# Altium PCB 主板.PcbDoc (part 2 of 2)
Units mm, origin at the board's own origin, x right, y up, seen from the top; angles counter-clockwise.
Board outline 152.4 x 95.25 mm, 2 copper layers (Top Layer, Bottom Layer); 206 components, 179 nets, 880 pads, 577 vias.
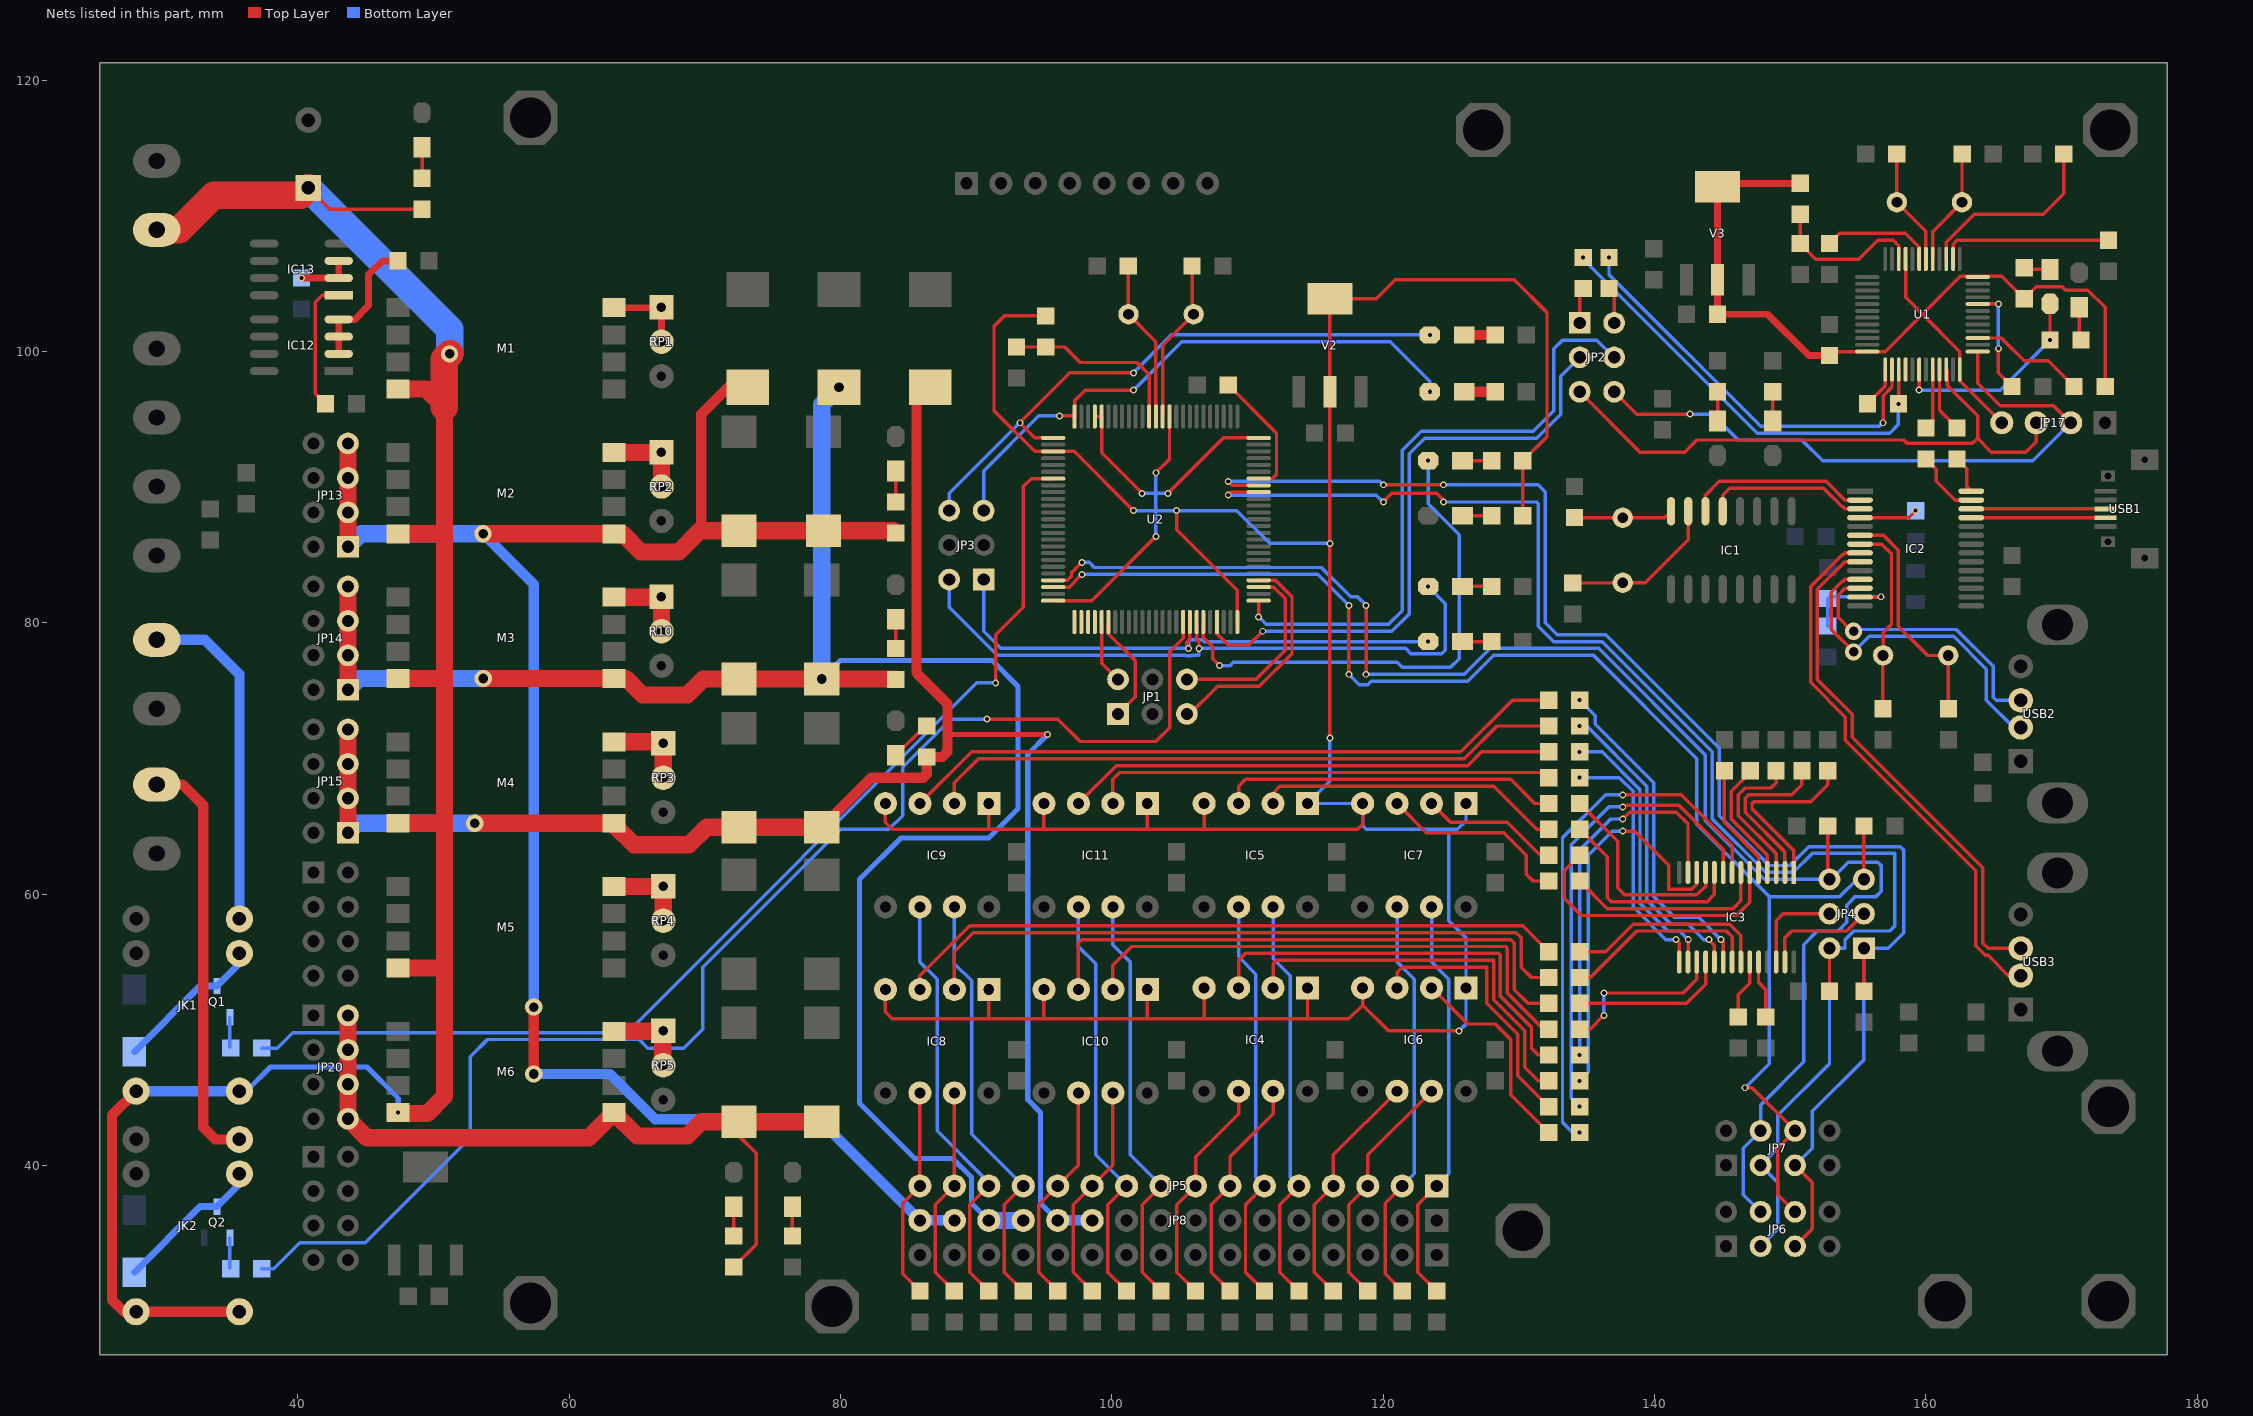
[diagram p2: the nets of this part, all layers, seen from the top]

## Via types
v1: diameter 0.508, hole 0.3, Top Layer to Bottom Layer, 546 vias
v2: diameter 1.27, hole 0.711, Top Layer to Bottom Layer, 31 vias

## Nets (pads, with @x,y where several pads share a name; then routed paths per layer and width w, separated by ;. In a path a pad name is that pad's centre, name@x,y a point inside that pad or via, vN(x,y) a via of type N, cw(c..) or ccw(c..) an arc to the next point about the centre after c; other vN are vias at no path point) (continued)
I2C1_SCL: JP4.2 JP6.3 JP7.3 R21.1 U2.92 | length 111.9
  Top Layer w0.254: v1(108.585,89.408) 108.807,89.63 U2.92@110.826,89.63 ; v1(120.015,88.9) 120.65,89.535 123.952,89.535 124.46,89.027 v1(124.46,88.9) ; R21.1@152.908,52.832 JP4.2@152.908,56.007
  Bottom Layer w0.254: v1(108.585,89.408) 119.507,89.408 v1(120.015,88.9) ; v1(124.46,88.9) 131.318,88.9 131.445,88.773 131.445,79.756 132.588,78.613 136.144,78.613 144.272,70.485 144.272,65.532 148.209,61.595 150.241,61.595 151.638,62.992 157.734,62.992 157.734,57.658 157.353,57.277 154.686,57.277 154.051,56.642 154.051,56.007 JP4.2@152.908,56.007 152.908,47.498 149.098,43.688 149.098,41.275 JP7.3@147.828,40.005 149.098,38.735 149.098,35.306 JP6.3@147.828,34.036
I2C1_SDA: JP4.1 JP6.5 JP7.5 R22.1 U2.93 | length 110.9
  Top Layer w0.254: v1(108.585,90.424) 108.879,90.13 U2.93@110.826,90.13 ; v1(120.015,90.17) v1(124.46,90.17) ; JP6.5@150.368,34.036 151.638,35.306 151.638,38.735 JP7.5@150.368,40.005 ; R22.1@155.448,52.832 JP4.1@155.448,56.007
  Bottom Layer w0.254: v1(108.585,90.424) 119.761,90.424 v1(120.015,90.17) ; v1(124.46,90.17) 131.445,90.17 131.953,89.662 131.953,80.01 132.842,79.121 136.398,79.121 144.78,70.739 144.78,65.786 148.463,62.103 149.987,62.103 151.384,63.5 158.115,63.5 158.369,63.246 158.369,57.15 157.226,56.007 JP4.1@155.448,56.007 155.448,47.787 151.638,43.977 151.638,41.275 JP7.5@150.368,40.005
I2C2_SCL: JP4.6 JP6.4 JP7.4 R19.1 U2.47 | length 114.8
  Top Layer w0.254: U2.47@95.675,83.13 96.719,83.13 97.028,83.439 97.028,83.693 v1(97.79,84.455) ; v1(118.745,76.2) v1(118.745,81.28) ; JP4.6@152.781,61.214 R19.1@152.781,64.516
  Bottom Layer w0.254: v1(97.79,84.455) 98.323,84.455 98.704,84.074 115.443,84.074 117.602,81.915 118.11,81.915 v1(118.745,81.28) ; v1(118.745,76.2) 125.984,76.2 127.889,78.105 135.89,78.105 143.764,70.231 143.764,65.405 148.082,61.087 JP4.6@152.908,61.087 153.035,61.087 154.305,62.357 156.464,62.357 156.718,62.103 156.718,60.198 156.337,59.817 154.813,59.817 154.178,59.182 154.178,57.912 153.543,57.277 152.019,57.277 151.003,56.261 151.003,47.625 147.828,44.45 JP7.4@147.828,42.545 146.558,41.275 146.558,37.846 JP6.4@147.828,36.576
I2C2_SDA: JP4.5 JP6.6 JP7.6 R20.1 U2.48 | length 108.4
  Top Layer w0.254: U2.48@95.675,82.63 96.854,82.63 v1(97.79,83.566) ; v1(117.475,76.2) v1(117.475,81.28) ; v1(146.685,45.72) 147.193,45.72 JP7.6@150.368,42.545 149.098,41.275 149.098,37.846 JP6.6@150.368,36.576 ; JP4.5@155.448,61.087 R20.1@155.448,64.516
  Bottom Layer w0.254: v1(97.79,83.566) 115.189,83.566 v1(117.475,81.28) ; v1(117.475,76.2) 118.237,75.438 118.872,75.438 119.126,75.692 126.238,75.692 128.143,77.597 135.509,77.597 143.129,69.977 143.129,65.151 148.463,59.817 ; v1(146.685,45.72) 148.463,47.498 148.463,59.817 ; JP4.5@155.448,61.087 154.94,61.087 153.67,59.817 148.463,59.817
ISO_OUT0: IC7.7 JP5.1 R61.2 | length 30.4
  Top Layer w0.254: R61.2@123.952,30.734 122.555,32.131 122.555,37.084 JP5.1@123.952,38.481
  Bottom Layer w0.254: IC7.7@123.571,59.055 123.571,54.991 124.841,53.721 124.841,39.37 JP5.1@123.952,38.481
ISO_OUT1: IC7.6 JP5.2 R62.2 | length 30.3
  Top Layer w0.254: R62.2@121.412,30.734 120.142,32.004 120.142,37.211 JP5.2@121.412,38.481
  Bottom Layer w0.254: IC7.6@121.031,59.055 121.031,54.991 122.301,53.721 122.301,39.37 JP5.2@121.412,38.481
ISO_OUT2: IC6.7 JP5.3 R59.2 | length 17.8
  Top Layer w0.254: R59.2@118.872,30.734 117.475,32.131 117.475,37.084 JP5.3@118.872,38.481 118.872,40.767 IC6.7@123.571,45.466
ISO_OUT3: IC6.6 JP5.4 R60.2 | length 17.8
  Top Layer w0.254: R60.2@116.332,30.734 114.935,32.131 114.935,37.084 JP5.4@116.332,38.481 116.332,40.767 IC6.6@121.031,45.466
ISO_OUT4: IC5.7 JP5.5 R57.2 | length 30.3
  Top Layer w0.254: R57.2@113.792,30.734 112.395,32.131 112.395,37.084 JP5.5@113.792,38.481
  Bottom Layer w0.254: IC5.7@111.887,59.055 111.887,55.245 113.157,53.975 113.157,39.116 JP5.5@113.792,38.481
ISO_OUT5: IC5.6 JP5.6 R58.2 | length 30.3
  Top Layer w0.254: R58.2@111.252,30.734 109.855,32.131 109.855,37.084 JP5.6@111.252,38.481
  Bottom Layer w0.254: IC5.6@109.347,59.055 109.347,55.372 110.617,54.102 110.617,39.116 JP5.6@111.252,38.481
ISO_OUT6: IC4.7 JP5.7 R55.2 | length 17.2
  Top Layer w0.254: R55.2@108.712,30.734 107.315,32.131 107.315,37.084 JP5.7@108.712,38.481 108.712,40.64 111.887,43.815 IC4.7@111.887,45.466
ISO_OUT7: IC4.6 JP5.8 R56.2 | length 17.2
  Top Layer w0.254: R56.2@106.172,30.734 104.775,32.131 104.775,37.084 JP5.8@106.172,38.481 106.172,40.64 109.347,43.815 IC4.6@109.347,45.466
ISO_OUT8: IC11.7 JP5.9 R85.2 | length 31
  Top Layer w0.254: R85.2@103.632,30.734 102.235,32.131 102.235,37.084 JP5.9@103.632,38.481
  Bottom Layer w0.254: IC11.7@100.076,59.055 100.076,56.261 101.346,54.991 101.346,40.767 JP5.9@103.632,38.481
ISO_OUT9: IC11.6 JP5.10 R86.2 | length 31
  Top Layer w0.254: R86.2@101.092,30.734 99.695,32.131 99.695,37.084 JP5.10@101.092,38.481
  Bottom Layer w0.254: IC11.6@97.536,59.055 97.536,56.134 98.806,54.864 98.806,40.767 JP5.10@101.092,38.481
ISO_OUT10: IC10.7 JP5.11 R83.2 | length 16.4
  Top Layer w0.254: R83.2@98.552,30.734 97.155,32.131 97.155,37.084 JP5.11@98.552,38.481 100.076,40.005 IC10.7@100.076,45.339
ISO_OUT11: IC10.6 JP5.12 R84.2 | length 16.4
  Top Layer w0.254: R84.2@96.012,30.734 94.615,32.131 94.615,37.084 JP5.12@96.012,38.481 97.536,40.005 IC10.6@97.536,45.339
ISO_OUT12: IC9.7 JP5.13 R81.2 | length 31.6
  Top Layer w0.254: R81.2@93.472,30.734 92.075,32.131 92.075,37.084 JP5.13@93.472,38.481
  Bottom Layer w0.254: IC9.7@88.392,59.055 88.392,54.864 89.662,53.594 89.662,42.291 JP5.13@93.472,38.481
ISO_OUT13: IC9.6 JP5.14 R82.2 | length 31.6
  Top Layer w0.254: R82.2@90.932,30.734 89.535,32.131 89.535,37.084 JP5.14@90.932,38.481
  Bottom Layer w0.254: IC9.6@85.852,59.055 85.852,54.991 87.122,53.721 87.122,42.545 90.932,38.735 JP5.14@90.932,38.481
ISO_OUT14: IC8.7 JP5.15 R79.2 | length 15.8
  Top Layer w0.254: R79.2@88.392,30.734 86.995,32.131 86.995,37.084 JP5.15@88.392,38.481 IC8.7@88.392,45.339
ISO_OUT15: IC8.6 JP5.16 R80.2 | length 15.7
  Top Layer w0.254: R80.2@85.852,30.734 84.582,32.004 84.582,37.211 JP5.16@85.852,38.481 IC8.6@85.852,45.339
MAIN_12V: E11.1 JK1.3 JK2.3 JP11.2 M1.1 M2.1 M3.1 M4.1 M5.1 M6.1 R73.2 | length 162.1
  Top Layer w0.254: E11.1@40.767,112.054 42.331,110.49 R73.2@49.149,110.49
  Top Layer w0.762: JK1.3@28.067,45.466 26.289,43.688 26.289,30.099 27.178,29.21 JK2.3@28.067,29.21 JK2.3@35.687,29.21
  Top Layer w1.27: M5.1@47.39,54.551 50.741,54.551 ; M4.1@47.39,65.219 50.741,65.219 ; M3.1@47.39,75.887 50.741,75.887 ; M2.1@47.39,86.555 50.741,86.555 ; M1.1@47.39,97.223 49.462,97.223 50.8,95.885 50.8,45.085 49.53,43.815 M6.1@47.458,43.815
  Top Layer w2.032: JP11.2@29.591,108.966 31.242,108.966 33.782,111.506 40.219,111.506 E11.1@40.767,112.054 ; 50.8,95.885 50.8,99.441 v2(51.181,99.822)
  Bottom Layer w0.381: JK1.3@35.687,45.466 36.195,45.466 37.973,47.244 45.085,47.244 47.39,44.939 v1(47.39,43.883)
  Bottom Layer w0.762: JK1.3@28.067,45.466 JK1.3@35.687,45.466
  Bottom Layer w2.032: E11.1@40.767,112.054 51.181,101.64 v2(51.181,99.822)
MCU_3V: IC4.1 IC4.4 IC5.1 IC5.4 IC6.1 IC6.4 IC7.1 IC7.4 IC8.1 IC8.4 IC9.1 IC9.4 IC10.1 IC10.4 IC11.1 IC11.4 R24.2 R51.2 R52.2 U2.11 U2.21 U2.22 U2.28 U2.50 U2.75 U2.100 V2.2 | length 291.1
  Top Layer w0.254: IC8.4@83.312,52.959 83.312,51.308 83.82,50.8 94.996,50.8 ; IC9.4@83.312,66.675 83.312,65.278 83.82,64.77 90.932,64.77 ; 90.932,50.927 IC8.1@90.932,52.959 ; IC9.1@90.932,66.675 90.932,64.77 ; IC10.4@94.996,52.959 94.996,50.8 ; IC11.4@94.996,66.675 94.996,64.77 ; R24.2@95.123,102.616 92.075,102.616 91.313,101.854 91.313,95.631 94.314,92.63 U2.28@95.675,92.63 97.235,92.63 v1(101.6,88.265) ; U2.50@95.675,81.63 98.521,81.63 v1(103.251,86.36) ; U2.22@98.751,95.205 U2.21@99.251,95.205 99.251,92.519 v1(102.235,89.535) ; IC10.1@102.616,52.959 102.616,50.8 ; IC11.1@102.616,66.675 102.616,64.77 ; v1(103.251,91.059) 104.251,92.059 U2.11@104.251,95.205 ; v1(104.14,89.535) 108.235,93.63 U2.100@110.826,93.63 ; v1(104.775,88.265) 104.775,86.868 109.251,82.392 U2.75@109.251,80.055 ; IC4.4@106.807,53.086 106.807,50.8 ; IC5.4@106.807,66.675 106.807,64.77 ; IC4.1@114.427,53.086 114.427,50.8 ; v1(116.078,71.501) v1(116.078,85.852) V2.2@116.078,97.028 V2.2@116.078,103.886 119.507,103.886 120.904,105.283 129.667,105.283 132.08,102.87 132.08,93.726 R52.2@130.302,91.948 R51.2@130.302,87.884 ; IC6.4@118.491,53.086 118.491,51.816 ; IC7.4@118.491,66.675 118.491,65.151 118.11,64.77 106.807,64.77 ; v1(125.603,49.911) 120.396,49.911 118.491,51.816 ; 90.932,64.77 94.996,64.77 ; 94.996,50.8 102.616,50.8 ; 94.996,64.77 102.616,64.77 ; 102.616,50.8 106.807,50.8 ; 102.616,64.77 106.807,64.77 ; 106.807,50.8 114.427,50.8 ; 114.427,50.8 117.475,50.8 118.491,51.816
  Bottom Layer w0.254: v1(101.6,88.265) 103.251,88.265 ; v1(102.235,89.535) 103.251,89.535 ; v1(103.251,86.36) 103.251,88.265 ; v1(103.251,91.059) 103.251,89.535 ; v1(104.14,89.535) 103.251,89.535 ; v1(116.078,71.501) 116.078,68.326 IC5.1@114.427,66.675 IC7.4@118.491,66.675 118.491,65.024 118.745,64.77 124.841,64.77 ; v1(116.078,85.852) 111.633,85.852 109.22,88.265 v1(104.775,88.265) 103.251,88.265 ; v1(125.603,49.911) 126.111,50.419 IC6.1@126.111,53.086 126.111,56.769 124.841,58.039 124.841,64.77 ; IC7.1@126.111,66.675 126.111,65.405 125.476,64.77 124.841,64.77 ; 103.251,88.265 103.251,89.535
MCU_SWCLK: JP2.4 U2.76 | length 46.4
  Top Layer w0.254: v1(110.826,80.436) U2.76@110.826,81.63
  Bottom Layer w0.254: v1(110.826,80.436) 111.379,79.883 120.396,79.883 121.412,80.899 121.412,92.71 122.809,94.107 131.064,94.107 132.588,95.631 132.588,100.203 133.223,100.838 135.763,100.838 JP2.4@137.033,99.568
MCU_SWDIO: JP2.3 U2.72 | length 45.3
  Top Layer w0.254: U2.72@107.751,80.055 107.751,79.193 108.585,78.359 110.109,78.359 v1(111.125,79.375)
  Bottom Layer w0.254: v1(111.125,79.375) 120.65,79.375 121.92,80.645 121.92,92.456 123.063,93.599 131.318,93.599 133.096,95.377 133.096,98.171 JP2.3@134.493,99.568
NetC3_2: C3.2 IC1.8 X2.1 | length 7.3
  Top Layer w0.254: C3.2@134.112,87.757 137.655,87.757 X2.1@137.668,87.744 140.749,87.744 IC1.8@141.224,88.219
NetC4_2: C4.2 IC1.7 X2.2 | length 11.9
  Top Layer w0.254: C4.2@133.985,82.931 137.655,82.931 X2.2@137.668,82.944 139.332,82.944 142.494,86.106 IC1.7@142.494,88.219
NetC5_2: C5.2 IC2.7 X3.2 | length 14.3
  Top Layer w0.254: IC2.7@155.158,85.796 156.774,85.796 157.48,85.09 157.48,79.883 156.858,79.261 X3.2@156.858,77.597 ; C5.2@156.845,73.66 X3.2@156.845,77.584
NetC6_2: C6.2 IC2.6 X3.1 | length 17.4
  Top Layer w0.254: IC2.6@155.158,86.446 156.886,86.446 157.988,85.344 157.988,79.756 160.16,77.584 161.671,77.584 C6.2@161.671,73.66
NetC7_2: C7.2 IC2.13 R4.2 | length 7.4
  Top Layer w0.254: IC2.13@155.158,81.896 v1@156.699,81.896
  Bottom Layer w0.254: R4.2@152.781,79.756 C7.2@152.781,81.788 ; C7.2@152.908,81.915 v1(156.718,81.915)
NetC11_2: C11.2 U1.7 | length 8.2
  Top Layer w0.254: C11.2@152.908,107.95 153.67,108.712 158.496,108.712 159.516,107.692 U1.7@159.516,106.818
NetC49_2: C49.2 U2.12 X4.1 | length 12.1
  Top Layer w0.254: U2.12@103.751,95.205 103.751,100.462 X4.1@106.032,102.743 105.918,102.857 C49.2@105.918,106.299
NetC50_2: C50.2 U2.13 X4.2 | length 11.9
  Top Layer w0.254: C50.2@101.219,106.299 101.219,102.756 X4.2@101.232,102.743 103.251,100.724 U2.13@103.251,95.205
NetC51_2: C51.2 R24.1 U2.14 | length 13.7
  Top Layer w0.254: C51.2@92.964,100.33 R24.1@95.123,100.33 96.52,100.33 97.663,99.187 101.854,99.187 102.751,98.29 U2.14@102.751,95.205
NetIC3_1: IC3.1 R15.2 | length 13.5
  Top Layer w0.254: IC3.1@150.275,61.593 150.275,63.212 147.193,66.294 147.193,66.675 147.32,66.802 151.511,66.802 152.781,68.072 R15.2@152.781,69.088
NetIC3_2: IC3.2 R14.2 | length 12.3
  Top Layer w0.254: IC3.2@149.625,61.593 149.625,63.1 146.685,66.04 146.685,67.056 146.939,67.31 150.114,67.31 150.876,68.072 R14.2@150.876,69.088
NetIC3_3: IC3.3 R13.2 | length 10.9
  Top Layer w0.254: R13.2@148.971,69.088 148.971,68.199 148.59,67.818 146.685,67.818 146.177,67.31 146.177,65.786 148.975,62.988 IC3.3@148.975,61.593
NetIC3_4: IC3.4 R12.2 | length 9.2
  Top Layer w0.254: R12.2@147.066,69.088 147.066,68.961 145.669,67.564 145.669,65.532 148.325,62.876 IC3.4@148.325,61.593
NetIC3_5: IC3.5 R11.2 | length 8.5
  Top Layer w0.254: R11.2@145.161,69.088 145.161,65.278 147.675,62.764 IC3.5@147.675,61.593
NetIC3_23: IC3.23 R53.1 | length 4.4
  Top Layer w0.254: R53.1@146.177,50.927 146.177,52.578 147.025,53.426 IC3.23@147.025,54.993
NetIC3_24: IC3.24 R54.1 | length 4.3
  Top Layer w0.254: IC3.24@147.675,54.993 147.675,53.493 148.209,52.959 R54.1@148.209,50.927
NetIC4_2: IC4.2 R29.2 | length 29.2
  Top Layer w0.254: IC4.2@111.887,53.086 111.887,54.864 112.141,55.118 128.143,55.118 128.143,52.197 130.429,49.911 130.429,47.244 131.445,46.228 R29.2@132.207,46.228
NetIC4_3: IC4.3 R28.2 | length 30.9
  Top Layer w0.254: IC4.3@109.347,53.086 109.347,55.118 109.855,55.626 128.524,55.626 128.651,55.499 128.651,52.451 130.937,50.165 130.937,48.641 131.445,48.133 R28.2@132.207,48.133
NetIC5_2: IC5.2 R31.2 | length 22.6
  Top Layer w0.254: IC5.2@111.887,66.675 111.887,67.437 112.395,67.945 128.143,67.945 131.318,64.77 R31.2@132.207,64.77
NetIC5_3: IC5.3 R30.2 | length 25.1
  Top Layer w0.254: IC5.3@109.347,66.675 109.347,67.945 109.855,68.453 129.413,68.453 131.191,66.675 R30.2@132.207,66.675
NetIC6_2: IC6.2 R33.2 | length 15.4
  Top Layer w0.254: IC6.2@123.571,53.086 126.238,50.419 128.27,50.419 129.413,49.276 129.413,45.212 R33.2@132.207,42.418
NetIC6_3: IC6.3 R32.2 | length 20.1
  Top Layer w0.254: IC6.3@121.031,53.086 121.031,54.229 121.412,54.61 127.635,54.61 127.635,51.943 129.921,49.657 129.921,46.609 R32.2@132.207,44.323
NetIC7_2: IC7.2 R35.2 | length 10.2
  Top Layer w0.254: IC7.2@123.571,66.675 124.968,65.278 129.159,65.278 131.572,62.865 R35.2@132.207,62.865
NetIC7_3: IC7.3 R34.2 | length 14.4
  Top Layer w0.254: IC7.3@121.031,66.675 123.19,64.516 128.905,64.516 130.556,62.865 130.556,61.468 131.064,60.96 R34.2@132.207,60.96
NetIC8_2: IC8.2 R64.2 | length 49.8
  Top Layer w0.254: IC8.2@88.392,52.959 88.392,55.753 89.789,57.15 129.794,57.15 130.175,56.769 130.175,54.61 130.937,53.848 R64.2@132.207,53.848
NetIC8_3: IC8.3 R63.2 | length 49.7
  Top Layer w0.254: IC8.3@85.852,52.959 85.852,53.975 89.535,57.658 130.302,57.658 R63.2@132.207,55.753
NetIC9_2: IC9.2 R66.2 | length 47.1
  Top Layer w0.254: IC9.2@88.392,66.675 88.392,68.199 90.17,69.977 125.984,69.977 128.397,72.39 R66.2@132.207,72.39
NetIC9_3: IC9.3 R65.2 | length 49.5
  Top Layer w0.254: IC9.3@85.852,66.675 89.662,70.485 125.73,70.485 129.54,74.295 R65.2@132.207,74.295
NetIC10_2: IC10.2 R68.2 | length 38.9
  Top Layer w0.254: IC10.2@100.076,52.959 100.076,54.737 101.473,56.134 129.032,56.134 129.159,56.007 129.159,52.705 131.826,50.038 R68.2@132.207,50.038
NetIC10_3: IC10.3 R67.2 | length 42.2
  Top Layer w0.254: IC10.3@97.536,52.959 97.536,56.388 97.79,56.642 129.413,56.642 129.667,56.388 129.667,52.959 130.683,51.943 R67.2@132.207,51.943
NetIC11_2: IC11.2 R70.2 | length 33.7
  Top Layer w0.254: IC11.2@100.076,66.675 100.076,68.453 100.584,68.961 R70.2@131.826,68.961
NetIC11_3: IC11.3 R69.2 | length 36.2
  Top Layer w0.254: IC11.3@97.536,66.675 100.33,69.469 126.238,69.469 127.254,70.485 R69.2@132.207,70.485
NetIC12_2: IC12.2 IC12.3 IC12.4 R90.2 | length 10
  Top Layer w0.508: IC12.2@43.009,99.822 IC12.3@43.009,101.092 IC12.4@43.009,102.362 44.196,102.362 45.212,103.378 45.212,105.664 46.228,106.68 R90.2@47.371,106.68
NetIC13_1: IC13.1 R88.1 | length 9.8
  Top Layer w0.254: R88.1@42.037,96.139 41.275,96.901 41.275,103.632 41.783,104.14 IC13.1@43.009,104.14
NetIC13_2: IC13.2 IC13.3 R89.2 | length 4
  Top Layer w0.508: v1(40.259,105.41) IC13.2@43.009,105.41 IC13.3@43.009,106.68
NetJK1_1: JK1.1 Q1.3 VD4.1 | length 10.4
  Bottom Layer w0.508: VD4.1@27.94,48.373 32.78,53.213 Q1.3@34.036,53.213 JK1.1@35.687,54.864
NetJK1_4: JK1.4 JP12.1 | length 25.2
  Bottom Layer w0.762: JP12.1@29.591,78.74 33.147,78.74 35.687,76.2 JK1.4@35.687,58.166
NetJK2_1: JK2.1 Q2.3 VD5.1 | length 11.2
  Bottom Layer w0.508: VD5.1@27.94,32.117 32.78,36.957 Q2.3@34.036,36.957 35.687,38.608 JK2.1@35.687,39.37
NetJK2_4: JK2.4 JP21.1 | length 30.8
  Top Layer w0.762: JP21.1@29.591,68.072 31.496,68.072 33.02,66.548 33.02,42.799 33.909,41.91 JK2.4@35.687,41.91
NetLED1_1: LED1.1 R44.1 | length 1.8
  Top Layer w0.254: R44.1@167.386,106.045 LED1.1@169.164,106.045
NetLED2_1: LED2.1 R45.1 | length 2.3
  Top Layer w0.762: LED2.1@125.984,97.028 R45.1@128.27,97.028
NetLED3_1: LED3.1 R46.1 | length 2.3
  Top Layer w0.762: LED3.1@125.984,101.219 R46.1@128.27,101.219
NetLED4_1: LED4.1 R47.1 | length 2.2
  Top Layer w0.254: LED4.1@125.857,78.613 R47.1@128.016,78.613
NetLED5_1: LED5.1 R48.1 | length 2.2
  Top Layer w0.254: LED5.1@125.857,82.677 R48.1@128.016,82.677
NetLED6_1: LED6.1 R49.1 | length 2.2
  Top Layer w0.254: LED6.1@148.717,94.869 R49.1@148.717,97.028
NetLED7_1: LED7.1 R50.1 | length 2.2
  Top Layer w0.254: LED7.1@144.653,94.869 R50.1@144.653,97.028
NetLED8_1: LED8.1 R51.1 | length 2.2
  Top Layer w0.254: LED8.1@125.857,87.884 R51.1@128.016,87.884
NetLED9_1: LED9.1 R52.1 | length 2.2
  Top Layer w0.254: LED9.1@125.857,91.948 R52.1@128.016,91.948
NetLED10_1: LED10.1 R71.1 | length 2.3
  Top Layer w0.254: R71.1@171.323,100.965 LED10.1@171.323,103.251
NetLED11_1: LED11.1 R73.1 | length 2.3
  Top Layer w0.254: R73.1@49.149,112.776 LED11.1@49.149,115.062
NetLED12_1: LED12.1 R74.1 | length 2.3
  Top Layer w0.254: R74.1@84.074,88.9 LED12.1@84.074,91.186
NetLED13_1: LED13.1 R75.1 | length 2.2
  Top Layer w0.254: R75.1@84.074,78.105 LED13.1@84.074,80.264
NetLED14_1: LED14.1 R76.1 | length 3.2
  Top Layer w0.254: LED14.1@84.074,70.231 86.233,72.39 R76.1@86.36,72.39
NetLED15_1: LED15.1 R77.1 | length 2.2
  Top Layer w0.254: R77.1@76.454,34.798 LED15.1@76.454,36.957
NetLED16_1: LED16.1 R78.1 | length 2.2
  Top Layer w0.254: R78.1@72.136,34.798 LED16.1@72.136,36.957
NetM1_5: M1.5 RP1.1 RP1.2 | length 6.1
  Top Layer w0.508: M1.5@63.29,103.223 66.774,103.223 RP1.1@66.802,103.251 RP1.2@66.802,100.711
NetM2_5: M2.5 RP2.1 RP2.2 | length 6
  Top Layer w1.27: M2.5@63.29,92.555 RP2.1@66.774,92.555 ; RP2.2@66.802,90.043 RP2.1@66.802,92.527
NetM3_5: M3.5 R10.1 R10.2 | length 6.1
  Top Layer w1.27: M3.5@63.29,81.887 66.774,81.887 R10.1@66.802,81.915 R10.2@66.802,79.375
NetM4_5: M4.5 RP3.1 RP3.2 | length 6.2
  Top Layer w1.27: M4.5@63.29,71.219 66.83,71.219 RP3.1@66.929,71.12 RP3.2@66.929,68.58
NetM5_5: M5.5 RP4.1 RP4.2 | length 6.2
  Top Layer w1.27: M5.5@63.29,60.551 66.901,60.551 RP4.1@66.929,60.579 RP4.2@66.929,58.039
NetM6_5: M6.5 RP5.1 RP5.2 | length 6.1
  Top Layer w1.27: M6.5@63.29,49.883 66.901,49.883 66.901,47.399 RP5.2@66.929,47.371
NetQ1_1: Q1.1 R72.2 | length 2.2
  Bottom Layer w0.254: R72.2@34.986,48.707 Q1.1@34.986,50.927
NetQ2_1: Q2.1 R87.2 | length 2.2
  Bottom Layer w0.254: R87.2@34.986,32.451 Q2.1@34.986,34.671
NetR5_2: R5.2 R6.1 U1.10 | length 11.6
  Top Layer w0.254: R6.1@150.749,110.109 R5.2@150.749,107.95 151.892,106.807 155.067,106.807 156.464,108.204 157.607,108.204 158.016,107.795 U1.10@158.016,106.818
NetR7_2: R7.2 U1.33 | length 4.8
  Top Layer w0.254: U1.33@161.016,98.668 161.016,95.651 R7.2@162.306,94.361
NetR8_2: R8.2 U1.32 | length 3.8
  Top Layer w0.254: R8.2@160.516,94.857 U1.32@160.516,98.668
NetR9_2: R9.2 U1.44 | length 8
  Top Layer w0.254: U1.44@163.853,103.505 v1(165.354,103.505) ; v1(165.354,100.203) 165.354,98.425 R9.2@166.37,97.409
  Bottom Layer w0.254: v1(165.354,100.203) v1(165.354,103.505)
NetR16_1: R16.1 U1.39 | length 8.6
  Top Layer w0.254: U1.39@163.841,100.993 165.58,100.993 167.259,99.314 169.037,99.314 R16.1@170.942,97.409
NetR17_1: R17.1 U1.3 | length 14.3
  Top Layer w0.254: U1.3@161.516,106.818 161.516,108.049 163.576,110.109 168.656,110.109 170.18,111.633 R17.1@170.18,114.554
NetR18_1: R18.1 U1.2 | length 12.7
  Top Layer w0.254: U1.2@162.016,106.818 162.016,107.914 162.306,108.204 R18.1@173.482,108.204
NetR23_1: R23.1 U2.94 | length 9.5
  Top Layer w0.254: R23.1@108.585,97.536 112.141,93.98 112.141,90.932 111.839,90.63 U2.94@110.826,90.63
OSC_IN: C2.2 U1.5 X1.2 | length 8.6
  Top Layer w0.254: U1.5@160.516,106.818 160.516,108.827 162.674,110.985 X1.2@162.674,110.998 C2.2@162.674,114.541
OSC_OUT: C1.2 U1.6 X1.1 | length 8.6
  Top Layer w0.254: C1.2@157.861,114.554 157.861,111.011 X1.1@157.874,110.998 160.016,108.856 U1.6@160.016,106.818
PCA9685_OUT0: IC3.6 R35.1 | length 20.5
  Top Layer w0.254: R35.1@134.493,62.865 133.35,61.722 133.35,59.69 134.62,58.42 146.05,58.42 147.025,59.395 IC3.6@147.025,61.593
PCA9685_OUT1: IC3.7 R34.1 | length 15
  Top Layer w0.254: R34.1@134.493,60.96 136.525,58.928 145.796,58.928 146.375,59.507 IC3.7@146.375,61.593
PCA9685_OUT2: IC3.8 R33.1 | length 39.9
  Top Layer w0.254: v1(137.668,67.31) 141.986,67.31 145.725,63.571 IC3.8@145.725,61.593
  Bottom Layer w0.254: v1(134.493,42.418) 133.985,42.418 133.223,43.18 133.223,64.135 136.398,67.31 v1(137.668,67.31)
PCA9685_OUT3: IC3.9 R32.1 | length 35
  Top Layer w0.254: v1(137.668,66.421) 137.795,66.548 141.814,66.548 145.075,63.287 IC3.9@145.075,61.593
  Bottom Layer w0.254: v1(134.493,44.323) 133.858,44.958 133.858,63.627 136.652,66.421 v1(137.668,66.421)
PCA9685_OUT4: IC3.10 R31.1 | length 15.8
  Top Layer w0.254: R31.1@134.493,64.77 136.525,62.738 136.525,59.715 136.804,59.436 143.891,59.436 144.425,59.97 IC3.10@144.425,61.593
PCA9685_OUT5: IC3.11 R30.1 | length 15.3
  Top Layer w0.254: R30.1@134.493,66.675 137.287,63.881 137.287,60.452 137.795,59.944 143.129,59.944 143.775,60.59 IC3.11@143.775,61.593
PCA9685_OUT6: IC3.12 R29.1 | length 29.5
  Top Layer w0.254: v1(137.668,64.643) 138.557,64.643 141.072,62.128 141.072,60.35 142.748,60.35 143.125,60.727 IC3.12@143.125,61.593
  Bottom Layer w0.254: v1(134.493,46.228) 135.128,46.863 135.128,62.865 136.906,64.643 v1(137.668,64.643)
PCA9685_OUT7: IC3.13 R28.1 | length 28.2
  Top Layer w0.254: v1(137.668,65.532) 138.176,66.04 141.605,66.04 142.475,65.17 IC3.13@142.475,61.593
  Bottom Layer w0.254: v1(134.493,48.133) 134.493,63.246 136.779,65.532 v1(137.668,65.532)
PCA9685_OUT8: IC3.15 R70.1 | length 18.8
  Top Layer w0.254: v1(141.605,56.642) 141.825,56.422 IC3.15@141.825,54.993
  Bottom Layer w0.254: v1(134.493,68.58) 137.414,68.58 138.43,67.564 138.43,59.055 140.843,56.642 v1(141.605,56.642)
PCA9685_OUT9: IC3.16 R69.1 | length 20.3
  Top Layer w0.254: IC3.16@142.494,55.012 v1(142.494,56.642)
  Bottom Layer w0.254: v1(134.493,70.485) 136.144,70.485 138.938,67.691 138.938,59.309 140.97,57.277 141.859,57.277 v1(142.494,56.642)
PCA9685_OUT10: IC3.17 R68.1 | length 12.4
  Top Layer w0.254: R68.1@134.493,50.038 135.255,50.038 v1(136.271,51.054) ; v1(136.271,52.705) 142.113,52.705 143.125,53.717 IC3.17@143.125,54.993
  Bottom Layer w0.254: v1(136.271,51.054) v1(136.271,52.705)
PCA9685_OUT11: IC3.18 R67.1 | length 11.5
  Top Layer w0.254: R67.1@134.493,51.943 142.367,51.943 143.775,53.351 IC3.18@143.775,54.993
PCA9685_OUT12: IC3.19 R66.1 | length 22.8
  Top Layer w0.254: v1(144.018,56.642) 144.425,56.235 IC3.19@144.425,54.993
  Bottom Layer w0.254: v1(134.493,72.39) 135.001,72.39 139.446,67.945 139.446,59.563 141.224,57.785 142.494,57.785 143.637,56.642 v1(144.018,56.642)
PCA9685_OUT13: IC3.20 R65.1 | length 24.7
  Top Layer w0.254: v1(144.907,56.642) 145.075,56.474 IC3.20@145.075,54.993
  Bottom Layer w0.254: v1(134.493,74.295) 135.636,73.152 135.636,72.517 139.954,68.199 139.954,59.817 141.478,58.293 143.256,58.293 v1(144.907,56.642)
PCA9685_OUT14: IC3.21 R64.1 | length 14.7
  Top Layer w0.254: R64.1@134.493,53.848 135.255,53.848 138.684,57.277 145.288,57.277 145.725,56.84 IC3.21@145.725,54.993
PCA9685_OUT15: IC3.22 R63.1 | length 15
  Top Layer w0.254: R63.1@134.493,55.753 136.398,55.753 138.43,57.785 145.542,57.785 146.375,56.952 IC3.22@146.375,54.993
PCA9685_SCL: IC3.26 JP4.4 | length 7.2
  Top Layer w0.254: IC3.26@148.975,54.993 148.975,58.043 149.479,58.547 JP4.4@152.908,58.547
PCA9685_SDA: IC3.27 JP4.3 | length 8.3
  Top Layer w0.254: IC3.27@149.625,54.993 149.625,56.788 150.114,57.277 154.178,57.277 JP4.3@155.448,58.547
RELAY1: R72.1 U2.32 | length 83
  Top Layer w0.254: v1(91.44,75.565) 91.44,79.121 93.472,81.153 93.472,90.043 94.059,90.63 U2.32@95.675,90.63
  Bottom Layer w0.254: R72.1@37.338,48.641 38.481,48.641 39.624,49.784 64.262,49.784 90.043,75.565 v1(91.44,75.565)
RELAY2: R87.1 U2.67 | length 101.8
  Top Layer w0.254: v1(90.805,72.898) 96.012,72.898 97.663,71.247 103.251,71.247 104.267,72.263 104.267,77.871 105.251,78.855 U2.67@105.251,80.055
  Bottom Layer w0.254: R87.1@37.338,32.385 38.227,32.385 40.132,34.29 44.958,34.29 52.705,42.037 52.705,48.006 53.975,49.276 65.151,49.276 65.786,48.641 68.453,48.641 69.85,50.038 69.85,54.61 80.01,64.77 83.566,64.77 84.582,65.786 84.582,69.342 88.138,72.898 89.535,72.898 v1(90.805,72.898)
RPI_5V: E1.1 E2.1 JP20.2 JP20.4 JP20.6 JP20.8 M6.8 R78.2 | length 56.9
  Top Layer w0.254: R78.2@72.136,32.512 73.787,34.163 73.787,40.894 72.517,42.164 E1.1@72.517,43.213
  Top Layer w1.27: JP20.2@43.688,51.054 JP20.4@43.688,48.514 JP20.6@43.688,45.974 JP20.8@43.688,43.434 45.085,42.037 61.444,42.037 M6.8@63.29,43.883 65.009,42.164 68.707,42.164 69.756,43.213 E1.1@72.517,43.213 E2.1@78.613,43.213
RREF: IC2.4 R1.2 | length 4.3
  Top Layer w0.254: IC2.4@155.158,87.746 158.739,87.746 v1(159.258,88.265)
SERVO_5V_1: E5.1 E6.1 JP8.11 JP8.12 JP15.1 JP15.3 JP15.5 JP15.7 M4.8 R76.2 VD3.2 | length 131.9
  Top Layer w0.381: 87.884,71.755 v1(95.25,71.755)
  Top Layer w0.762: E6.1@78.613,64.93 82.263,68.58 86.106,68.58 86.36,68.834 R76.2@86.36,70.104 87.503,70.104 87.884,70.485 87.884,71.755 87.884,74.041 85.598,76.327 85.598,96.349 VD3.2@86.614,97.365
  Top Layer w1.27: JP15.1@43.688,64.516 JP15.3@43.688,67.056 JP15.5@43.688,69.596 JP15.7@43.688,72.136 ; v2(53.027,65.219) M4.8@63.29,65.219 63.29,65.107 64.77,63.627 68.834,63.627 70.137,64.93 E5.1@72.517,64.93 E6.1@78.613,64.93
  Bottom Layer w0.381: v1(95.25,71.755) 93.803,70.308 93.803,44.845 94.742,43.906 94.742,37.211 JP8.12@96.012,35.941
  Bottom Layer w0.762: JP8.12@96.012,35.941 JP8.11@98.552,35.941
  Bottom Layer w1.27: JP15.1@43.688,64.516 44.391,65.219 v2(53.027,65.219)
SERVO_5V_2: E7.1 E8.1 JP8.13 JP8.14 JP14.1 JP14.3 JP14.5 JP14.7 M3.8 R75.2 VD2.2 | length 143.3
  Top Layer w1.27: JP14.1@43.688,75.057 JP14.3@43.688,77.597 JP14.5@43.688,80.137 JP14.7@43.688,82.677 ; v2(53.662,75.887) M3.8@63.29,75.887 64.194,75.887 65.405,74.676 68.707,74.676 69.883,75.852 E7.1@72.517,75.852 v2(78.613,75.852) R75.2@84.041,75.852
  Bottom Layer w0.381: v2(78.613,75.852) 79.977,77.216 91.186,77.216 93.091,75.311 93.091,66.294 90.932,64.135 84.455,64.135 81.407,61.087 81.407,44.577 85.471,40.513 88.265,40.513 89.662,39.116 89.662,37.211 JP8.14@90.932,35.941
  Bottom Layer w1.27: JP14.1@43.688,75.057 44.518,75.887 v2(53.662,75.887) ; v2(78.613,75.852) 78.613,96.095 v2(79.883,97.365) ; JP8.14@90.932,35.941 JP8.13@93.472,35.941
SERVO_5V_3: E9.1 E10.1 JP8.15 JP8.16 JP13.1 JP13.3 JP13.5 JP13.7 M2.8 R74.2 VD1.2 | length 139.2
  Top Layer w0.762: v2(57.379,46.736) v2(57.379,51.664) ; 69.629,86.774 69.723,86.868 69.723,95.377 71.711,97.365 VD1.2@73.152,97.365
  Top Layer w1.27: JP13.1@43.688,85.598 JP13.3@43.688,88.138 JP13.5@43.688,90.678 JP13.7@43.688,93.218 ; v2(53.653,86.555) M2.8@63.29,86.555 63.94,86.555 65.278,85.217 68.072,85.217 69.629,86.774 E9.1@72.517,86.774 E10.1@78.74,86.774 R74.2@83.914,86.774
  Bottom Layer w0.762: v2(53.653,86.555) 57.379,82.829 v2(57.379,51.664) ; v2(57.379,46.736) 62.997,46.736 66.335,43.398 78.395,43.398 JP8.16@85.852,35.941 JP8.15@88.392,35.941
  Bottom Layer w1.27: JP13.1@43.688,85.598 44.645,86.555 v2(53.653,86.555)
SPI2_MISO: U2.53
SPI2_MOSI: U2.54
SPI2_NSS: U2.51
SPI2_SCLK: U2.52
STA_LED: LED1.2 R71.2 U1.30 | length 15.4
  Top Layer w0.254: v1@159.516,97.159 U1.30@159.516,98.668 ; v1(169.164,100.838) LED1.2@169.164,103.505
  Bottom Layer w0.254: v1(159.512,97.155) 165.481,97.155 v1(169.164,100.838)
SW_3V: C8.2 C10.2 JP17.4 R6.2 R16.2 R44.2 U1.9 U1.24 U1.36 U1.48 V3.2 | length 70.4
  Top Layer w0.254: C10.2@152.908,99.695 153.206,99.993 U1.24@155.691,99.993 157.016,99.993 159.766,102.743 ; U1.9@158.516,106.818 158.516,103.993 159.766,102.743 ; JP17.4@165.608,94.742 162.516,97.834 U1.36@162.516,98.668 162.516,99.993 159.766,102.743 ; R16.2@173.228,97.409 173.228,103.251 171.958,104.521 170.307,104.521 170.053,104.775 168.148,104.775 R44.2@167.259,103.886 165.608,105.537 162.56,105.537 159.766,102.743
  Top Layer w0.508: R6.2@150.749,112.395 144.907,112.395 V3.2@144.653,112.141 V3.2@144.653,105.283 C8.2@144.653,102.743 148.336,102.743 151.384,99.695 C10.2@152.908,99.695
SWCLK: JP2.6 JP17.2 U1.37 | length 47.3
  Top Layer w0.254: JP2.6@137.033,97.028 138.684,95.377 v1(142.621,95.377) ; U1.37@163.841,99.993 163.841,97.652 165.481,96.012 169.418,96.012 JP17.2@170.688,94.742
  Bottom Layer w0.254: v1(142.621,95.377) 144.272,95.377 146.177,93.472 150.876,93.472 152.4,91.948 167.894,91.948 JP17.2@170.688,94.742
SWDIO: JP2.5 JP17.3 U1.34 | length 44.3
  Top Layer w0.254: JP2.5@134.493,97.028 138.938,92.583 142.24,92.583 143.129,93.472 158.369,93.472 158.623,93.218 163.449,93.218 163.83,93.599 ; U1.34@161.516,98.668 161.597,98.587 161.597,97.488 163.83,95.255 163.83,93.599 ; JP17.3@168.148,94.742 168.148,93.345 167.386,92.583 164.846,92.583 163.83,93.599
T_JTCK: R2.1 U1.26 | length 30.4
  Top Layer w0.254: v1(156.845,94.742) 156.878,94.775 156.878,96.741 157.516,97.378 U1.26@157.516,98.668
  Bottom Layer w0.254: v1(136.652,106.934) 136.652,105.664 147.828,94.488 156.591,94.488 v1(156.845,94.742)
T_JTMS: R3.1 R27.1 U1.27 | length 33
  Top Layer w0.254: R27.1@158.016,96.167 U1.27@158.016,98.668
  Bottom Layer w0.254: v1(134.747,106.934) 134.747,106.807 147.574,93.98 157.353,93.98 157.988,94.615 v1(157.988,96.139)
T_MOSI: U1.28
T_SWCLK: JP2.2 R2.2 | length 2.2
  Top Layer w0.254: JP2.2@137.033,102.108 R2.2@137.033,104.267
T_SWDIO: JP2.1 R3.2 | length 2.3
  Top Layer w0.254: JP2.1@134.493,102.108 R3.2@134.493,104.394
T_SWDIO_IN: R27.2 U1.25 | length 3.1
  Top Layer w0.254: R27.2@155.702,96.139 157.016,97.453 U1.25@157.016,98.668
USART1_RXD: JP3.2 LED5.2 U2.69 | length 48.1
  Top Layer w0.254: U2.69@106.251,80.055 106.251,78.788 106.426,78.613 v1(106.426,78.105)
  Bottom Layer w0.254: JP3.2@88.011,83.185 88.011,81.153 91.567,77.597 105.418,77.597 105.443,77.572 105.885,77.572 105.91,77.597 106.426,77.597 v1(106.426,78.105) 121.666,78.105 122.047,77.724 124.333,77.724 124.587,77.978 124.587,81.407 v1(123.317,82.677)
USART1_TXD: JP3.1 LED4.2 U2.68 | length 39.8
  Top Layer w0.254: v1(105.664,78.105) 105.537,78.232 105.537,78.566 105.751,78.78 U2.68@105.751,80.055
  Bottom Layer w0.254: JP3.1@90.551,83.185 90.551,79.375 91.821,78.105 v1(105.664,78.105) 105.664,78.613 105.791,78.74 106.68,78.74 106.807,78.613 v1(123.317,78.613)
USART2_RXD: JP3.6 LED3.2 U2.26 | length 44.5
  Top Layer w0.254: U2.26@95.675,93.63 94.33,93.63 v1(93.218,94.742) 96.901,98.425 v1(101.6,98.425)
  Bottom Layer w0.254: JP3.6@88.011,88.265 88.011,89.535 v1(93.218,94.742) ; v1(101.6,98.425) 104.394,101.219 v1(123.444,101.219)
USART2_TXD: JP3.5 LED2.2 U2.25 | length 42.4
  Top Layer w0.254: v1(96.139,95.25) U2.25@97.206,95.25 ; U2.25@97.251,95.205 97.251,96.362 98.044,97.155 v1(101.6,97.155)
  Bottom Layer w0.254: JP3.5@90.551,88.265 90.551,91.186 94.615,95.25 v1(96.139,95.25) ; v1(101.6,97.155) 105.156,100.711 120.523,100.711 123.444,97.79 v1(123.444,97.028)
USART3_RXD: JP1.1 U2.56 | length 8.1
  Top Layer w0.254: U2.56@99.751,80.055 99.751,79.192 101.727,77.216 101.727,74.549 JP1.1@100.457,73.279
USART3_TXD: JP1.2 U2.55 | length 4.7
  Top Layer w0.254: U2.55@99.251,80.055 99.251,77.025 JP1.2@100.457,75.819
USART4_RXD: JP1.5 U2.79 | length 16.7
  Top Layer w0.254: JP1.5@105.537,73.279 105.766,73.279 107.798,75.311 110.871,75.311 113.284,77.724 113.284,81.915 112.069,83.13 U2.79@110.826,83.13
USART4_TXD: JP1.6 U2.78 | length 14.2
  Top Layer w0.254: JP1.6@105.537,75.819 110.617,75.819 112.776,77.978 112.776,81.788 111.934,82.63 U2.78@110.826,82.63
USB0_N: IC2.25 USB1.2 | length 9.9
  Top Layer w0.254: IC2.25@163.358,87.746 172.208,87.746 172.212,87.742 USB1.2@173.249,87.742
USB0_P: IC2.26 USB1.3 | length 9.9
  Top Layer w0.254: IC2.26@163.358,88.396 164.465,88.396 164.469,88.392 USB1.3@173.249,88.392
USB1_N: IC2.27 R8.1 | length 5.1
  Top Layer w0.254: R8.1@160.02,92.075 160.782,91.313 160.782,90.443 162.179,89.046 IC2.27@163.358,89.046
USB1_P: IC2.28 R7.1 | length 2.9
  Top Layer w0.254: R7.1@162.306,92.075 163.068,91.313 163.011,91.256 163.011,90.043 IC2.28@163.358,89.696
USB2_N: IC1.6 IC2.2 | length 13.6
  Top Layer w0.254: IC1.6@143.764,88.219 143.764,89.408 144.78,90.424 152.673,90.424 154.051,89.046 IC2.2@155.158,89.046
USB2_P: IC1.5 IC2.3 | length 12.2
  Top Layer w0.254: IC1.5@145.034,88.219 145.034,89.408 145.542,89.916 152.463,89.916 153.841,88.538 153.909,88.538 154.051,88.396 IC2.3@155.158,88.396
USB3_N: IC2.8 USB3.2 | length 40.4
  Top Layer w0.254: IC2.8@155.158,85.146 154.051,85.146 153.909,85.004 153.841,85.004 151.511,82.674 151.511,75.609 154.073,73.047 154.073,71.352 163.703,61.722 163.703,56.178 164.398,55.483 164.608,55.483 166.1,53.991 USB3.2@167.005,53.991
USB3_P: IC2.9 USB3.3 | length 38.1
  Top Layer w0.254: IC2.9@155.158,84.496 154.051,84.496 152.019,82.464 152.019,75.819 154.581,73.257 154.581,71.563 164.211,61.932 164.211,56.388 164.608,55.991 USB3.3@167.005,55.991
USB4_N: IC2.11 USB2.2 | length 24.5
  Top Layer w0.254: v2(154.686,77.851) 153.035,79.502 153.035,82.248 153.841,83.054 153.909,83.054 154.051,83.196 IC2.11@155.158,83.196
  Bottom Layer w0.254: v2(154.686,77.851) 155.829,78.994 162.052,78.994 164.465,76.581 164.465,74.295 166.481,72.279 USB2.2@167.005,72.279
USB4_P: IC2.12 USB2.3 | length 20.9
  Top Layer w0.254: v2(154.686,79.375) 154.559,79.375 153.543,80.391 153.543,82.038 154.051,82.546 IC2.12@155.158,82.546
  Bottom Layer w0.254: v2(154.686,79.375) 154.813,79.502 162.262,79.502 164.973,76.791 164.973,74.505 165.205,74.273 166.999,74.273 USB2.3@167.005,74.279
WORK_LED: LED9.2 U2.70 | length 37.4
  Top Layer w0.254: U2.70@106.751,80.055 106.751,78.923 107.442,78.232 107.442,77.343 v1(107.95,76.835)
  Bottom Layer w0.254: v1(107.95,76.835) 108.712,76.835 108.966,77.089 121.031,77.089 121.412,76.708 124.968,76.708 125.603,77.343 125.603,86.487 123.317,88.773 v1(123.317,91.948)
pads on no net: IC1.4 IC1.9 IC1.10 IC1.11 IC1.12 IC1.13 IC1.14 IC1.15 IC2.14 IC2.17 IC2.18 IC2.19 IC2.20 IC2.21 IC2.22 IC3.25 JK1.5 JK2.5 JP8.1 JP8.2 JP8.3 JP8.4 JP8.5 JP8.6 JP8.7 JP8.8 JP8.9 JP8.10 M1.3 M1.4 M1.6 M2.3 M2.4 M2.6 M3.3 M3.4 M3.6 M4.3 M4.4 M4.6 M5.3 M5.4 M5.6 M6.3 M6.4 M6.6 U1.1 U1.4 U1.11 U1.12 U1.13 U1.14 U1.15 U1.16 U1.17 U1.18 U1.19 U1.21 U1.22 U1.29 U1.31 U1.38 U1.40 U1.41 U1.42 U1.43 U1.45 U1.46 U2.1 U2.2 U2.3 U2.4 U2.5 U2.6 U2.7 U2.8 U2.9 U2.15 U2.16 U2.17 U2.18 U2.23 U2.24 U2.33 U2.34 U2.38 U2.39 U2.40 U2.41 U2.42 U2.43 U2.44 U2.45 U2.46 U2.57 U2.58 U2.59 U2.60 U2.61 U2.62 U2.63 U2.64 U2.65 U2.66 U2.73 U2.77 U2.80 U2.81 U2.82 U2.83 U2.84 U2.85 U2.86 U2.87 U2.88 U2.95 U2.96 U2.97 U2.98 USB1.1 USB1.4

## Polygon pours and split planes (outlines as drawn)
GND on Bottom Layer "Top Layer-No Net" (solid, pour order 4): 27.305,116.205 26.035,114.935 26.035,27.94 27.305,26.67 29.337,26.67 175.133,26.67 176.53,28.067 176.53,117.348 176.657,117.475 176.53,117.348 176.53,117.475 173.355,120.65 37.465,120.65 33.02,116.205
GND on Top Layer "Top Layer-No Net" (solid, pour order 6): 37.465,120.65 33.02,116.205 27.305,116.205 26.035,114.935 26.035,114.427 26.035,27.94 27.305,26.67 28.448,26.67 175.133,26.67 176.53,28.067 176.53,117.475 173.355,120.65 37.465,120.65

## Keep-outs
Keep-Out Layer:
  the board outline again, w0.254

## Silkscreen, mask and mechanical layers (free items; w line width, h text height)
Top Overlay:
  lines w0.254: 109.855,108.839 109.855,112.649 110.363,113.157 120.904,113.157 121.158,112.903 121.158,108.712 120.777,108.331 110.363,108.331 109.855,108.839
  text "PB1" at 92.583,114.046 h2.54 r90
  text "PB0" at 89.916,113.919 h2.54 r90
  text "PB3" at 94.996,113.919 h2.54 r90
  text "PB4" at 97.536,113.919 h2.54 r90
  text "PB5" at 100.076,113.919 h2.54 r90
  text "PA4" at 102.743,113.919 h2.54 r90
  text "PA5" at 105.283,113.919 h2.54 r90
  text "PA6" at 107.823,113.919 h2.54 r90
  text "-12V+" at 35.179,112.014 h2.03 r270
  text "JP2: TDA TCK" at 110.617,111.633 h2.03
  text "UnderSea Control Board Ver 1.0" at 51.308,111.379 h3.05
  text "MDA MCK" at 113.538,110.109 h2.03
  text "Designed By SCW 2018/8/21" at 51.308,108.712 h3.05
  text "SDA SCK" at 114.046,108.585 h2.03
  text "485 Z Y B A" at 35.052,103.124 h2.03 r270
  text "U2R" at 121.285,99.949 h2.03 r90
  text "U2T" at 121.285,95.885 h2.03 r90
  text "3V DA CK GD" at 163.703,91.694 h2.03
  text "S5V" at 86.614,90.678 h2.54 r90
  text "S5V" at 39.624,90.424 h2.54 r90
  text "WOK" at 121.412,90.297 h2.03 r90
  text "DAT" at 121.412,86.487 h2.03 r90
  text "U1R" at 121.539,81.153 h2.03 r90
  text "S5V" at 39.497,79.756 h2.54 r90
  text "S5V" at 86.614,79.756 h2.54 r90
  text "U2R" at 87.376,79.121 h2.03
  text "U2T" at 91.313,79.121 h2.03
  text "+  -" at 35.052,78.994 h3.81 r270
  text "CHT" at 87.376,77.724 h2.03
  text "CHR" at 91.313,77.724 h2.03
  text "U1T" at 121.412,77.343 h2.03 r90
  text "U2R" at 87.376,76.327 h2.03
  text "U2T" at 91.313,76.327 h2.03
  text "48R" at 111.252,74.422 h2.03 r90
  text "U3T" at 109.855,74.295 h2.03 r90
  text "U4T" at 112.776,74.295 h2.03 r90
  text "48T" at 111.252,70.866 h2.03 r90
  text "U3R" at 109.855,70.739 h2.03 r90
  text "U4R" at 112.776,70.739 h2.03 r90
  text "S5V" at 39.624,69.469 h2.54 r90
  text "S5V" at 91.567,68.961 h3.05 r90
  text "+  -" at 34.798,68.072 h3.81 r270
  text "2C 2D" at 156.972,60.452 h2.54
  text "B5V" at 39.497,58.928 h2.54 r90
  text "PC PD" at 156.972,57.912 h2.54
  text "1C 1D" at 156.972,55.245 h2.54
  text "R5V" at 39.497,48.387 h2.54 r90
  text "E3V 2CL 2DA GND" at 156.21,42.037 h2.03
  text "F E D C B A 9 8 7 6 5 4 3 2 1 0" at 85.598,40.386 h3.81
  text "E3V 1CL 1DA GND" at 156.21,39.497 h2.03
  text "E3V" at 39.497,38.1 h2.54 r90
  text "R5V" at 70.866,36.83 h2.54 r90
  text "B5V" at 75.311,36.83 h2.54 r90
  text "B5V 2CL 2DA GND" at 156.21,36.195 h2.03
  text "B5V 1CL 1DA GND" at 156.21,33.401 h2.03
  text "G + S" at 127.762,32.766 h3.81 r90
  text "+  -" at 44.45,31.369 h3.81 r180

## Text inside footprints (layer, text, board x,y; h text height)
JP1: Top Overlay "6" at 107.061,75.311 h1.02; Top Overlay "5" at 107.061,72.771 h1.02; Top Overlay "2" at 97.917,75.311 h1.02; Top Overlay "1" at 98.171,72.771 h1.02
JP2: Top Overlay "6" at 136.525,95.504 h1.02 r270; Top Overlay "5" at 133.985,95.504 h1.02 r270; Top Overlay "2" at 136.525,104.648 h1.02 r270; Top Overlay "1" at 133.985,104.394 h1.02 r270
JP3: Top Overlay "6" at 88.519,89.789 h1.02 r90; Top Overlay "5" at 91.059,89.789 h1.02 r90; Top Overlay "2" at 88.519,80.645 h1.02 r90; Top Overlay "1" at 91.059,80.899 h1.02 r90
JP4: Top Overlay "6" at 153.416,62.611 h1.02 r90; Top Overlay "5" at 155.956,62.611 h1.02 r90; Top Overlay "2" at 153.416,53.467 h1.02 r90; Top Overlay "1" at 155.956,53.721 h1.02 r90
JP6: Top Overlay "8" at 154.432,36.068 h1.02; Top Overlay "1" at 143.002,33.528 h1.02; Top Overlay "2" at 142.748,36.068 h1.02; Top Overlay "7" at 154.432,33.528 h1.02
JP7: Top Overlay "8" at 154.432,42.037 h1.02; Top Overlay "1" at 143.002,39.497 h1.02; Top Overlay "2" at 142.748,42.037 h1.02; Top Overlay "7" at 154.432,39.497 h1.02
USB1: Top Overlay "USB" at 176.551,86.868 h1.02 r90
USB2: Top Overlay "GND" at 168.783,76.327 h1.02; Top Overlay "D+" at 168.783,73.787 h1.02; Top Overlay "D-" at 168.783,71.501 h1.02; Top Overlay "VCC" at 168.783,69.215 h1.02; Top Overlay "USB-A" at 177.215,76.709 h1.52 r270
USB3: Top Overlay "GND" at 168.783,58.039 h1.02; Top Overlay "D+" at 168.783,55.499 h1.02; Top Overlay "D-" at 168.783,53.213 h1.02; Top Overlay "VCC" at 168.783,50.927 h1.02; Top Overlay "USB-A" at 177.215,58.421 h1.52 r270